# KiCad board Piunora.kicad_pcb (continued)
## Routing (per net, layer and track width the routed paths; a pad name or vN(x,y) marks a point on that pad's centre or on a via; arc(x,y) is an arc through that point) (continued)
1D_N: length 19
  Top w0.117: v1(33.79,50.6) 33.79,50.6 33.53,50.6 30.94,53.19 28.76,55.36 28.76,56.13 29.09,56.46 29.09,57.58 U$11.D- ; IC1.4 35.37,46.08 35.46,46.17 35.76,46.17 35.77,46.16 v1(35.95,45.98)
  Top w0.147: U$11.D- 29.67,58.12 JP6.1
  In1.Cu w0.117: v1(35.95,45.98) 36.13,46.17 36.39,46.17 36.62,46.4 36.62,47.51 33.79,50.34 33.79,50.35 v1(33.79,50.6)
1D_P: length 19
  Top w0.117: U$11.D+ 28.21,57.58 28.21,56.46 28.54,56.13 28.54,55.27 30.78,53.03 30.83,52.95 30.83,52.85 30.75,52.72 30.75,52.66 30.78,52.61 31.3,52.1 31.35,52.07 31.41,52.07 31.54,52.14 31.64,52.14 31.72,52.1 33.37,50.44 33.37,50.43 v1(33.37,50.18) ; IC1.5 35.37,46.48 35.46,46.39 35.76,46.39 35.94,46.57 v1(35.94,46.57)
  Top w0.147: U$11.D+ 27.63,58.12 JP7.1
  In1.Cu w0.117: v1(35.94,46.57) 36.12,46.4 36.13,46.39 36.3,46.39 36.4,46.49 36.4,47.42 33.64,50.18 v1(33.37,50.18)
2D_N: length 20.3
  Top w0.117: 42.69,60.87 42.71,60.84 42.71,56.37 34.15,47.81 34.15,47.32 34.24,47.23 IC1.6 ; 42.69,60.87 42.71,60.84 42.71,60.74 42.9,60.55 43.48,60.55 43.65,60.73 X4.B7 ; 42.69,60.87 42.65,60.9 X4.A7
2D_P: length 21
  Top w0.117: X4.A6 43.15,62.18 43,62.33 42.28,62.33 42.15,62.21 X4.B6 42.15,60.78 42.49,60.44 42.49,56.46 33.93,47.9 33.93,47.32 33.84,47.23 IC1.7
3.3-M.2: length 51.8
  Top w0.305: v1(29.44,21.97) 29.41,21.95 18.52,21.95 v1(17.73,22.73)
  In1.Cu w0.127: 42.93,15.9 U$27.P$2
  In1.Cu w0.305: v1(17.73,22.73) 17.67,22.79 J2.2 J2.4 ; 42.93,15.9 42.42,15.39 R5.1 40.35,14.35 C14.2 ; J2.74 J2.72 ; J2.72 35.76,23.89 ; J2.72 J2.70 ; J2.72 35.17,22.57 34.57,21.97 v1(29.44,21.97)
  In1.Cu w0.406: 40.92,18.82 39.85,18.82 38,16.97 38,14.76 37.59,14.35 36.54,14.35 C15.1 C16.1 C19.1 C20.1
  In1.Cu w0.508: 41.17,18.57 41.17,21.56 38.85,23.89 35.76,23.89 ; 41.17,18.57 42.93,16.81 U$27.P$2 ; 41.17,18.57 40.92,18.82
ACTIVITY-LED: length 50.2
  Top w0.127: R7.2 47.09,12.93 47.09,9.32 46.05,8.28 43.35,8.28 41.2,6.13 11.45,6.13 10.89,6.69 8.24,6.69 5.06,3.51 LED6.C
AD0: length 4.9
  Top w0.254: AD.1 IC2.1
AD1: length 5.4
  Top w0.254: AD.2 4.37,15.24 5.64,16.51 IC2.2
AD2: length 6
  Top w0.254: AD.3 3.78,12.7 6.32,15.24 IC2.3
AD3: length 6.5
  Top w0.254: IC2.4 6.58,13.97 2.77,10.16 AD.4
AD4: length 7.9
  Top w0.254: AD.5 3.1,7.62 4.88,9.4 4.88,10.95 6.63,12.7 IC2.5
AD5: length 9.4
  Top w0.254: IC2.6 6.63,11.43 5.82,10.62 5.82,7.42 3.48,5.08 AD.6
AD6: length 0.9
  Top w0.254: v1(7.67,10.64) 7.46,10.43 IC2.7
  In1.Cu w0.254: TP2.P$1 7.72,10.69 v1(7.67,10.64)
AD7: length 0.9
  Top w0.305: v1(7.54,8.38) 7.54,8.81 IC2.8
  In1.Cu w0.254: TP1.P$1 7.64,8.48 v1(7.54,8.38)
CAM1_C_N: length 40.5
  Top w0.102: v1(13.46,26.29) 13.28,26.47 11.7,26.47 11.62,26.39 U$2.127
  In1.Cu w0.102: v1(13.46,26.29) 13.28,26.47 7.68,26.47 6.02,24.82 6.02,23.11 6.04,23.06 6.08,23.02 6.13,23 6.19,23 6.25,22.98 6.29,22.94 6.31,22.89 6.31,22.41 6.29,22.36 6.25,22.32 6.19,22.3 6.13,22.3 6.08,22.29 6.04,22.24 6.02,22.19 6.02,19.81 14.94,10.9 23.39,10.9 24.1,10.18 24.1,9.39 24.49,9 J1.8
CAM1_C_P: length 40.5
  Top w0.102: v1(13.46,26.88) 13.28,26.7 11.7,26.7 11.62,26.79 U$2.129
  In1.Cu w0.102: v1(13.46,26.88) 13.28,26.7 7.58,26.7 5.79,24.91 5.79,19.72 14.84,10.67 23.29,10.67 23.87,10.09 23.87,9.39 23.49,9 J1.9
CAM1_D0_N: length 33.2
  Top w0.102: U$2.115 10.64,23.99 10.55,24.07 10.29,24.07 10.11,23.89 v1(10.11,23.87)
  In1.Cu w0.102: v1(10.11,23.87) 9.91,24.07 9.78,24.07 9.68,23.97 9.68,20.83 10.83,19.67 10.88,19.64 10.94,19.64 10.99,19.67 11.04,19.71 11.09,19.74 11.15,19.74 11.2,19.71 11.55,19.36 11.58,19.31 11.58,19.25 11.55,19.2 11.51,19.16 11.48,19.1 11.48,19.05 11.51,18.99 13.41,17.09 13.41,16.54 17.2,12.75 28.06,12.75 30.1,10.71 30.1,9.39 30.49,9 J1.2
CAM1_D0_P: length 33.2
  Top w0.102: U$2.117 10.64,24.39 10.55,24.3 10.29,24.3 v1(10.12,24.47)
  In1.Cu w0.102: J1.3 29.49,9 29.87,9.39 29.87,10.62 27.97,12.52 17.1,12.52 13.18,16.44 13.18,17 9.45,20.73 9.45,24.06 9.68,24.3 9.94,24.3 9.94,24.3 v1(10.12,24.47)
CAM1_D1_N: length 36.4
  Top w0.102: U$2.121 11.62,25.19 11.7,25.27 12.01,25.27 v1(12.19,25.09)
  In1.Cu w0.102: v1(12.19,25.09) 12.01,25.27 8.89,25.27 7.82,24.21 7.82,22.42 7.84,22.36 7.88,22.32 7.94,22.3 8,22.3 8.05,22.29 8.1,22.25 8.11,22.19 8.11,21.69 8.1,21.63 8.05,21.59 8,21.58 7.94,21.58 7.88,21.56 7.84,21.52 7.82,21.46 7.82,20.22 16.41,11.63 25.9,11.63 27.1,10.43 27.1,9.39 27.49,9 J1.5
CAM1_D1_P: length 36.4
  Top w0.102: U$2.123 11.62,25.59 11.7,25.5 12.01,25.5 v1(12.19,25.68)
  In1.Cu w0.102: v1(12.19,25.68) 12.01,25.5 8.8,25.5 7.59,24.3 7.59,20.12 16.31,11.4 25.81,11.4 26.87,10.34 26.87,9.39 26.49,9 J1.6
CAMERA_GPIO: length 61.8
  Top w0.127: U$2.97 44.53,40.39 v1(44.53,40.39) ; v1(22.61,9.7) 22.61,8.38 23.99,7 39.81,7 41.04,8.23 41.04,13.48 40.13,14.39 40.13,24.08 38.3,25.91 38.3,31.42 v1(39.12,32.23)
  In1.Cu w0.127: J1.11 21.49,9.24 21.95,9.7 v1(22.61,9.7) ; v1(39.12,32.23) 39.12,35.47 39.51,35.87 39.51,38.44 41.45,40.39 v1(44.53,40.39)
CEC: length 31.8
  Top w0.127: CN2.13 10.46,57.25 10.77,56.95 10.77,55.04 11.96,53.85 11.96,51.03 11.2,50.27 9.91,50.27 8.69,49.05 v1(8.69,44.4) ; v1(10.11,31.78) 10.7,31.19 U$2.151
  In1.Cu w0.127: v1(8.69,44.4) 8.69,43.26 9.58,42.37 9.58,32.31 v1(10.11,31.78)
GLOBAL_EN: length 10.7
  Top w0.152: v1(37.8,41.55) 39.24,43 43.64,43 44.12,42.52 45.08,42.52 45.52,42.09 45.52,41.11 U$2.99
  In1.Cu w0.152: v1(37.8,41.55) JP4.1
GPIO4: length 32.3
  Top w0.102: U$2.54 40.45,31.59 39.98,31.11 39.57,31.11 38.81,30.35 38.81,25.91 40.49,24.23 40.49,21.51 41.81,20.19 43,20.19 47.09,16.1 47.09,14.48 v1(46.94,14.33)
  In1.Cu w0.102: IOL.7 46.94,11.48 v1(46.94,14.33)
GPIO5: length 29.6
  Top w0.102: IOL.8 51.59,5.08 52.35,5.84 52.35,13.21 51.56,14 49.76,14 49.17,14.58 49.17,15.56 44.12,20.61 44.12,25.63 43.61,26.14 43.61,27.28 43.3,27.59 U$2.34
GPIO6: length 8.8
  Top w0.127: v1(43.05,26.82) 42.15,26.82 U$2.30
  In1.Cu w0.127: v1(43.05,26.82) 43.28,27.05 50.67,27.05 IOH.10
GPIO7: length 6.1
  Top w0.127: IOH.9 49.72,28.39 U$2.37
GPIO8: length 6.9
  Top w0.127: U$2.39 46.16,28.79 49.38,32 IOH.8
GPIO9: length 12.8
  Top w0.127: U$2.40 42.89,28.79 v1(43.18,29.08)
  In1.Cu w0.127: IOH.6 50.36,36.64 49.57,36.64 47.96,35.02 47.96,34.44 43.18,29.67 v1(43.18,29.08)
GPIO10: length 12.6
  Top w0.127: IOH.7 48.67,34.54 v1(47.57,35.64) ; U$2.44 42.75,29.59 42.9,29.74 42.9,30.3 v1(43.15,30.56)
  In1.Cu w0.127: v1(47.57,35.64) 47.57,34.59 43.54,30.56 v1(43.15,30.56)
GPIO11: length 18.9
  Top w0.127: U$2.38 42.1,28.37 39.78,28.37 v1(39.62,28.22)
  In1.Cu w0.127: IOH.5 50.67,39.62 40.5,29.45 40.12,29.45 39.62,28.96 v1(39.62,28.22)
GPIO12: length 71.3
  Top w0.102: v1(40.92,52.17) 40.92,51.23 41.48,50.67 45.8,50.67 46.3,50.16 46.3,44.45 46.66,44.09 48.39,44.09 48.72,43.76 48.72,41.27 49.23,40.77 51.87,40.77 52.22,40.41 52.22,28.65 51.74,28.17 50.11,28.17 49.99,28.04 46.1,28.04 45.85,27.79 45.85,27.3 45.73,27.19 U$2.31 ; LED7.1 18.35,64.26 v1(18.35,63.53)
  In1.Cu w0.102: v1(40.92,52.17) 40.92,53.21 39.4,54.74 32.89,54.74 29.69,57.94 24.59,57.94 24.38,57.73 22.02,57.73 18.35,61.4 v1(18.35,63.53)
GPIO13: length 44.9
  Top w0.127: IC2.12 14.48,12.7 15.04,12.14 16.28,12.14 18.11,13.97 v1(19.2,13.97) ; U$2.28 41.6,26.39 40.87,25.65 v1(40.87,24.46)
  In1.Cu w0.127: v1(40.87,24.46) 36.96,24.46 35.36,26.06 30.44,26.06 30.11,25.73 28.6,25.73 28.36,25.97 27.8,25.97 27.6,25.77 27.23,25.77 26.95,26.05 25.28,26.05 24.16,27.18 22.17,27.18 20.22,25.22 20.22,20.47 20.32,20.37 20.32,15.37 19.58,14.63 19.58,14.35 v1(19.2,13.97)
GPIO14: length 61.7
  Top w0.102: U$2.55 44.36,31.99 43.18,33.17 43.18,38.01 42.93,38.27 42.93,41.12 42.62,41.43 40.77,41.43
  Top w0.127: 40.77,41.43 37.07,37.73 v1(37.07,37.41) ; v1(21.51,25.1) 24.49,25.1 30.91,31.52 v1(30.91,31.7) ; v1(18.16,13.41) 16.18,11.43 IC2.11
  In1.Cu w0.127: v1(21.51,25.1) 21.51,22.33 22.86,20.98 22.86,18.59 21.87,17.6 21.87,13.69 21.36,13.18 18.39,13.18 v1(18.16,13.41) ; v1(37.07,37.41) 31.36,31.7 v1(30.91,31.7)
GPIO15: length 62.5
  Top w0.102: 40.97,41.17 42.49,41.17 42.72,40.94 42.72,38.2 42.98,37.95 42.98,33.07 44.86,31.19 U$2.51
  Top w0.127: 40.97,41.17 37.53,37.73 37.53,37.4 v1(37.68,37.25) ; v1(31.31,31.28) 31.07,31.28 22.13,22.34 21.34,22.34 21.06,22.62 v1(21.06,24.59) ; v1(21.18,15.47) 20.9,15.19 19.86,15.19 19.2,14.53 18.16,14.53 16.99,13.36 14.43,13.36 13.82,13.97 IC2.13
  In1.Cu w0.127: v1(21.18,15.47) 21.18,16.08 21.36,16.26 21.36,17.5 22.1,18.24 22.1,19.66 21.06,20.7 v1(21.06,24.59) ; v1(37.68,37.25) 31.72,31.28 v1(31.31,31.28)
GPIO16: length 41.6
  Top w0.127: v1(40.31,25.91) 40.31,25.96 v1(41.07,26.72) ; U$2.29 44.64,26.79 v1(44.37,26.52) ; v1(32.84,22.63) 33.43,23.22 v1(33.43,26.92) ; v1(22.71,28.13) 22.38,27.8 v1(22.38,26.19)
  In1.Cu w0.127: v1(41.07,26.72) 41.76,26.03 43.89,26.03 v1(44.37,26.52) ; v1(22.71,28.13) 22.31,28.13 19.67,25.49 J2.10 ; v1(22.38,26.19) 22.38,25.35 21.79,24.77 21.79,22.96 22.25,22.5 32.72,22.5 v1(32.84,22.63) ; v1(33.43,26.92) 35.92,26.92 38,24.84 40.08,24.84 40.31,25.07 v1(40.31,25.91)
GPIO17: length 31.3
  Top w0.127: v1(40.84,30.81) 42.09,30.81 U$2.50 ; v1(33.58,29.59) 33.58,31.22 31.55,33.25 28.79,33.25 v1(24.33,28.79)
  In1.Cu w0.127: J2.8 19.17,25.63 22.22,28.69 24.23,28.69 v1(24.33,28.79) ; v1(33.58,29.59) 35.41,31.42 40.23,31.42 v1(40.84,30.81)
GPIO18: length 31.9
  Top w0.127: v1(46.66,30.76) 45.22,30.76 U$2.49
  In1.Cu w0.127: IOL.6 48.69,12.27 48.69,18.41 49.33,19.05 52.12,19.05 52.45,19.38 52.45,30.66 52.35,30.76 v1(46.66,30.76)
GPIO19: length 18
  Top w0.127: IOL.5 50.11,12.7 48.56,14.25 48.56,15.54 43.79,20.32 43.79,25.58 43.38,25.99 U$2.26
GPIO20: length 17
  Top w0.127: IOL.4 51.13,15.24 52.32,16.43 52.32,18.34 51.66,19 49.56,19 48.95,19.61 48.95,24.13 46.69,26.39 U$2.27
GPIO21: length 12.4
  Top w0.127: U$2.25 45.23,26.03 46.54,26.03 48.51,24.05 48.51,18.31 49.05,17.78 IOL.3
GPIO22: length 17.5
  Top w0.127: v1(40.56,28.88) 41.67,29.99 U$2.46
  In1.Cu w0.127: IOL.2 46.79,20.32 40.13,26.97 40.13,28.45 v1(40.56,28.88)
GPIO23: length 10.2
  Top w0.127: v1(46.18,30) 45.8,30.38 45.2,30.38 U$2.47 ; IOL.1 46.28,27.38 v1(46.28,27.56)
  In1.Cu w0.127: v1(46.18,30) 46.28,29.9 v1(46.28,27.56)
GPIO24: length 58.9
  Top w0.102: 44.42,25.68 43.94,26.16 43.94,26.7 44.22,26.97 44.22,27.36 43.66,27.91 43.66,29.31 43.97,29.62 44.37,29.62 44.72,29.97 45.18,29.97 U$2.45
  Top w0.152: IC2.10 14,10.16 14.33,10.49 15.44,10.49 15.8,10.13 15.8,7.7 16.79,6.71 40.08,6.71 41.43,8.05 41.43,13.64 40.87,14.2 40.87,15.88 41.15,16.15 41.15,18.64 41.73,19.23 v1(42.62,19.23) ; v1(44.83,20.6) 44.42,21.01 44.42,25.68
  In1.Cu w0.152: v1(44.83,20.6) 43.46,19.23 v1(42.62,19.23)
GPIO25: length 64.9
  Top w0.102: U$2.41 44.28,29.19 v1(44.15,29.06) ; v1(39.75,26.57) 39.75,26.85 v1(40.79,27.89) ; v1(20.42,35.18) 17.22,35.18 16.36,36.04 16.36,42.37 14.63,44.09 11.43,44.09 11.13,44.4
  Top w0.147: v1(2.01,43.26) 1.81,43.45 U$14.P3
  Top w0.152: v1(10.41,45.44) 11.02,45.44 JP3.1 11.07,44.45 11.13,44.4
  Top w0.305: U$14.P4 U$14.P3
  In1.Cu w0.102: v1(40.79,27.89) 42.98,27.89 v1(44.15,29.06) ; v1(20.42,35.18) 21.26,34.34 24.77,34.34 30.56,28.55 37.77,28.55 v1(39.75,26.57)
  In1.Cu w0.147: v1(10.41,45.44) 8.59,45.44 8,44.86 6.6,44.86 5,43.26 v1(2.01,43.26)
GPIO26: length 135
  Top w0.102: S2.1 19.58,2.97 19.58,5.41 20.04,5.87 41.45,5.87 43.46,7.87 46.28,7.87 47.47,9.07 47.47,16.17 43.09,20.55 41.99,20.55 40.82,21.72 40.82,23.75 41.38,24.31 41.38,25.4 41.56,25.59 U$2.24
  Top w0.152: S2.1 18.14,2.8 17.6,2.26 16.13,2.26 15.59,2.8 S2.3 14.16,2.96 v2(12.93,4.19) ; v1(15.72,37.21) 15.72,34.34 12.42,31.04 12.42,30.02 12.65,29.79 v1(13.18,29.79) ; v1(20.57,37.29) v1(17.17,37.29)
  In1.Cu w0.152: v1(17.17,37.29) 15.8,37.29 v1(15.72,37.21) ; v2(12.93,4.19) 12.93,5.33 11.63,6.63 5.56,6.63 4.34,7.85 4.34,25.55 7.85,29.06 14.1,29.06 JP1.2 v1(13.18,29.79) ; JP4.2 34.82,41.55 29.84,36.58 21.29,36.58 v1(20.57,37.29)
GPIO27: length 33.6
  Top w0.102: v1(27.3,32.62) 26.47,32.62 19.74,25.88 19.74,23.37 18.95,22.58 v1(18.82,22.58) ; v1(40.32,30.25) 40.46,30.39 U$2.48
  In1.Cu w0.102: v1(27.3,32.62) 31.14,28.78 36.69,28.78 39.01,31.09 40.02,31.09 40.41,30.7 40.41,30.34 v1(40.32,30.25) ; J2.6 18.67,22.73 v1(18.82,22.58)
HDMI_CK_N: length 22.4
  Top w0.102: U$2.190 8.1,38.78 7.79,38.78 7.71,38.7 7.45,38.7 7.34,38.82 7.34,51.13 7.36,51.19 7.4,51.23 7.45,51.24 7.51,51.24 7.57,51.26 7.61,51.3 7.63,51.36 7.63,51.85 7.61,51.91 7.57,51.95 7.51,51.97 7.45,51.97 7.4,51.98 7.36,52.02 7.34,52.08 7.34,53.16 9.58,55.4 9.58,56.99 9.96,57.38 CN2.12
HDMI_CK_P: length 22.4
  Top w0.102: U$2.188 7.79,38.39 7.7,38.47 7.36,38.47 7.11,38.72 7.11,53.26 9.35,55.49 9.35,57 8.96,57.38 CN2.10
HDMI_D0_N: length 24.2
  Top w0.102: CN2.9 8.46,57.38 8.08,57 8.08,55.36 7.55,54.83 7.52,54.78 7.52,54.72 7.55,54.67 7.59,54.63 7.62,54.57 7.62,54.52 7.59,54.46 7.25,54.13 7.2,54.1 7.14,54.1 7.09,54.13 7.05,54.17 7,54.2 6.94,54.2 6.89,54.17 6.52,53.8 6.52,37.67 6.68,37.5 7.63,37.5 7.71,37.59 U$2.184
HDMI_D0_P: length 24.2
  Top w0.102: CN2.7 7.46,57.38 7.85,57 7.85,55.45 6.29,53.89 6.29,37.57 6.59,37.27 7.63,37.27 7.71,37.19 U$2.182
HDMI_D1_N: length 25.9
  Top w0.102: CN2.6 6.96,57.38 6.58,57 6.58,55.31 5.66,54.39 5.66,36.45 5.81,36.3 6.54,36.3 6.6,36.32 6.64,36.36 6.66,36.42 6.66,36.48 6.67,36.53 6.71,36.58 6.77,36.59 7.24,36.59 7.3,36.58 7.34,36.53 7.36,36.48 7.36,36.41 7.46,36.31 7.68,36.31 7.76,36.39 U$2.178
HDMI_D1_P: length 26
  Top w0.102: U$2.176 7.76,35.99 7.68,36.07 5.72,36.07 5.44,36.35 5.44,54.49 6.35,55.4 6.35,56.99 5.96,57.38 CN2.4
HDMI_D2_N: length 27.2
  Top w0.102: U$2.172 7.71,35.19 7.63,35.1 5.82,35.1 4.86,36.06 4.86,54.58 5.08,54.8 5.08,55.44 5.1,55.49 5.14,55.54 5.19,55.55 5.25,55.55 5.31,55.57 5.35,55.61 5.37,55.67 5.37,56.13 5.35,56.19 5.31,56.23 5.25,56.25 5.19,56.25 5.14,56.26 5.1,56.31 5.08,56.36 5.08,57.02 5.46,57.4 CN2.3
HDMI_D2_P: length 27.2
  Top w0.102: CN2.1 4.46,57.41 4.85,57.02 4.85,54.9 4.64,54.68 4.64,35.96 5.72,34.87 7.63,34.87 7.71,34.79 U$2.170
HDMI_SCL: length 21
  Top w0.127: CN2.15 11.46,55.09 12.32,54.23 12.32,50.65 11.38,49.71 10.19,49.71 9.35,48.87 9.35,41.9 8.24,40.79 U$2.200
HDMI_SDA: length 21.2
  Top w0.127: U$2.199 10.85,40.79 9.75,41.88 9.75,48.64 10.36,49.25 11.51,49.25 12.67,50.42 12.67,54.51 11.89,55.3 11.89,58.87 CN2.16
HOTPLUG: length 30.9
  Top w0.117: 14.86,34.44 14.86,43.1 v1(14.4,43.56) ; CN2.19 13.46,57.41 13.9,56.97 v1(14.4,56.97)
  Top w0.127: U$2.153 12,31.59 14.86,34.44
  In1.Cu w0.117: v1(14.4,56.97) 14.4,56.46 13.64,55.7 13.64,47.47 14.4,46.71 v1(14.4,43.56)
M2_USB_N: length 57.4
  In1.Cu w0.117: v1(29.67,55.93) 29.64,55.91 29.01,55.91 28.76,56.16 28.76,56.73 28.3,57.18 26.89,57.18 25.6,55.89 25.6,54.8 19.14,48.34 19.14,42.76 19.14,26.22 18.36,25.45 16.9,25.45 16.48,25.03 16.48,23.49 15.57,22.58 15.57,19.81 15.08,19.33 15.08,15.69 16.37,14.4 18.98,14.4 19.27,14.69 19.27,15.18 19.42,15.33 J2.9
M2_USB_P: length 58.4
  In1.Cu w0.117: v1(27.63,55.92) 28.32,55.92 28.55,56.15 28.55,56.64 28.22,56.97 26.97,56.97 25.81,55.81 25.81,54.72 19.34,48.25 19.34,45.69 19.36,45.64 19.4,45.61 19.45,45.59 19.5,45.59 19.55,45.58 19.59,45.54 19.6,45.49 19.6,45.48 19.59,45.43 19.55,45.4 19.5,45.38 19.45,45.38 19.4,45.37 19.36,45.33 19.34,45.28 19.34,45.27 19.36,45.22 19.4,45.18 19.45,45.17 19.5,45.17 19.55,45.16 19.59,45.12 19.6,45.07 19.6,45.06 19.59,45.01 19.55,44.97 19.5,44.96 19.45,44.96 19.4,44.95 19.36,44.91 19.34,44.86 19.34,44.85 19.36,44.8 19.4,44.76 19.45,44.75 19.5,44.75 19.55,44.74 19.59,44.7 19.6,44.65 19.6,44.64 19.59,44.59 19.55,44.55 19.5,44.54 19.45,44.54 19.4,44.53 19.36,44.49 19.34,44.44 19.34,44.43 19.36,44.38 19.4,44.34 19.45,44.33 19.5,44.33 19.55,44.32 19.59,44.28 19.6,44.23 19.6,44.22 19.59,44.17 19.55,44.13 19.5,44.12 19.45,44.12 19.4,44.11 19.36,44.07 19.34,44.02 19.34,44.01 19.36,43.96 19.4,43.92 19.45,43.91 19.5,43.91 19.55,43.9 19.59,43.86 19.6,43.81 19.6,43.8 19.59,43.75 19.55,43.71 19.5,43.7 19.45,43.7 19.4,43.69 19.36,43.65 19.34,43.6 19.34,43.59 19.36,43.54 19.4,43.5 19.45,43.49 19.5,43.49 19.55,43.48 19.59,43.44 19.6,43.39 19.6,43.38 19.59,43.33 19.55,43.29 19.5,43.28 19.45,43.28 19.4,43.27 19.36,43.23 19.34,43.18 19.34,43.17 19.36,43.12 19.4,43.08 19.45,43.07 19.5,43.07 19.55,43.06 19.59,43.02 19.6,42.97 19.6,42.96 19.59,42.91 19.55,42.87 19.5,42.86 19.45,42.86 19.4,42.85 19.36,42.81 19.34,42.76 19.34,26.14 18.45,25.24 16.99,25.24 16.69,24.94 16.69,23.41 15.77,22.49 15.77,19.72 15.29,19.24 15.29,15.77 16.46,14.61 18.9,14.61 19.07,14.77 19.07,15.18 18.92,15.33 J2.7
N$7: length 10.4
  Top w0.127: X4.A5 44.15,63.21 42.59,64.78 38.16,64.78 36.92,63.54 R8.2
N$8: length 8.7
  Top w0.127: 41.17,61.54 41.15,61.52 X4.B5 41.15,63.94 40.77,64.33 38.48,64.33 37.68,63.52 37.68,62.63 R3.2 36.98,61.87 37.16,61.91
N$19: length 2.8
  In1.Cu w0.305: IC3.6 40.69,12.67 41.05,13.03 U$27.P$1
N$22: length 6.3
  Top w0.127: v1(38.38,11.35) 38.38,11.71 39.6,12.93 39.6,13.54 v1(39.4,13.74)
  In1.Cu w0.305: R2.1 38.81,15.42 R5.2 38.85,14.35 C14.1 39.4,13.85 v1(39.4,13.74) ; IC3.1 38.22,11.51 v1(38.38,11.35)
PCIE_CLK_N: length 30.5
  Top w0.117: U$2.112 7.71,23.19 7.61,23.1 7.25,23.1 7.05,22.89 7.05,21.14 7.71,20.48 18.18,20.48 18.37,20.68 29.08,20.68 30.54,19.22 30.54,18.66 v1(30.34,18.47)
  In1.Cu w0.117: J2.53 30.42,17.17 30.54,17.28 30.54,18.31 30.38,18.47 v1(30.34,18.47)
PCIE_CLK_P: length 30.5
  Top w0.117: v1(30.95,18.47) 30.75,18.66 30.75,19.31 29.17,20.89 25.69,20.89 25.64,20.91 25.6,20.95 25.58,21 25.56,21.08 25.52,21.15 25.37,21.22 25.11,21.22 25.03,21.2 24.96,21.15 24.9,21 24.89,20.95 24.85,20.91 24.79,20.89 18.28,20.89 18.08,20.7 7.8,20.7 7.26,21.23 7.26,22.8 7.34,22.88 7.61,22.88 7.71,22.79 U$2.110
  In1.Cu w0.117: J2.55 30.92,17.12 30.75,17.28 30.75,18.31 30.91,18.47 v1(30.95,18.47)
PCIE_RX_N: length 29.8
  Top w0.117: U$2.118 7.68,24.39 7.59,24.3 7.2,24.3 6.18,23.28 6.18,20.74 7.12,19.8 26.48,19.8 27.56,18.72 27.56,18.64 v1(27.36,18.44)
  In1.Cu w0.117: v1(27.36,18.44) 27.48,18.44 27.56,18.36 27.56,17.49 27.42,17.35 J2.41
PCIE_RX_P: length 29.7
  Top w0.117: U$2.116 7.68,23.99 7.59,24.08 7.29,24.08 6.4,23.19 6.4,20.83 7.21,20.02 22.54,20.02 22.57,20.11 22.64,20.19 22.74,20.21 23.27,20.21 23.37,20.19 23.44,20.11 23.47,20.02 26.57,20.02 27.78,18.81 27.78,18.64 v1(27.98,18.44)
  In1.Cu w0.117: J2.43 27.92,17.35 27.78,17.49 27.78,18.36 27.92,18.5 v1(27.98,18.44)
PCIE_TX_N: length 36
  Top w0.117: v1(24.16,18.51) 24.18,18.53 24,18.7 6.72,18.7 5.22,20.2 5.22,23.94 6.77,25.5 7.56,25.5 7.65,25.59 U$2.124
  In1.Cu w0.117: J2.47 28.92,17.35 29.06,17.48 29.06,19.25 28.09,20.22 27.16,20.22 25.64,18.7 24.35,18.7 v1(24.16,18.51)
PCIE_TX_P: length 36
  Top w0.117: v1(24.16,19.12) 24.16,19.08 24,18.92 6.81,18.92 5.44,20.29 5.44,23.85 6.86,25.28 7.56,25.28 7.65,25.19 U$2.122
  In1.Cu w0.117: v1(24.16,19.12) 24.35,18.92 25.55,18.92 27.07,20.44 28.18,20.44 29.28,19.34 29.28,18.99 29.29,18.93 29.33,18.89 29.39,18.88 29.44,18.88 29.5,18.86 29.54,18.82 29.55,18.77 29.55,18.33 29.54,18.27 29.5,18.23 29.44,18.22 29.39,18.22 29.33,18.21 29.29,18.16 29.28,18.11 29.28,17.49 29.42,17.35 J2.49
POWER-LED: length 52.1
  Top w0.127: R6.2 41.94,16.29 41.3,15.59 41.3,14.21 41.83,13.68 41.83,7.9 40.28,6.35 16.1,6.35 14.94,7.52 6.86,7.52 4.67,5.33 4.67,4.37 3.68,3.38 3.68,2.49 LED5.A
PWR_LED: length 1.1
  Top w0.127: R6.1 42.14,15.03 IC4.4
RUN_PG: length 87.4
  Top w0.127: v1(40.56,20.4) 41.17,20.4 v1(41.81,19.76) ; v1(42.04,18.69) 42.6,18.14 42.6,16.31 42.9,16 44.42,16 44.78,15.65 44.78,13.57 v1(45.36,12.99) ; v1(38.01,36.7) 38.01,36.82 38.27,37.07 38.27,37.71 39.75,39.19 U$2.92 ; v1(30.68,20.5) 30.68,24.31 30.94,24.56 30.94,30.05 v3(31.14,30.25)
  Top w0.152: v1(24.3,34.83) 21.36,34.83 21.13,34.6 17.16,34.6 v1(13.22,30.65)
  In1.Cu w0.127: v1(40.56,20.4) 40.44,20.52 30.71,20.52 v1(30.68,20.5) ; v1(38.01,36.7) 31.56,30.25 v3(31.14,30.25) ; IC3.7 40.47,12.01 45.16,12.01 45.36,12.22 v1(45.36,12.99) ; v1(41.81,19.76) 42.04,19.53 v1(42.04,18.69)
  In1.Cu w0.152: v1(24.3,34.83) 24.32,34.85 26.52,34.85 31.11,30.25 v3(31.14,30.25) ; POWER.3 4.42,35.56 9.37,30.61 13.17,30.61 v1(13.22,30.65) 14.53,30.65 JP1.1
SCL0: length 47.8
  Top w0.127: v1(32.64,29.24) 32.64,30.81 31.14,32.31 29.21,32.31 22.61,25.7 v1(21.46,25.7) ; v1(38.02,35.36) 39.51,36.84 42.06,36.84 U$2.80 ; v1(19.86,13.89) v1(19.86,9.73)
  In1.Cu w0.127: v1(19.86,13.89) 19.95,13.98 19.95,14.62 20.6,15.27 20.6,24.84 v1(21.46,25.7) ; v1(38.02,35.36) 32.64,29.97 v1(32.64,29.24) ; J1.13 19.49,9.27 19.79,9.58 19.79,9.65 v1(19.86,9.73)
SCL1: length 43.1
  Top w0.127: CONN1.4 49.5,56.75 49.91,56.34 49.91,51.33 50.8,50.44 ; IOH.1 50.8,50.44 ; 50.8,50.44 49.94,51.3 49.26,51.3 48.09,52.47 R1.2 ; v1(39.8,31.88) 39.91,31.99 U$2.56
  In1.Cu w0.127: IOH.1 51.31,49.78 52.43,48.67 52.43,46.81 51.56,45.95 49.66,45.95 49.3,45.59 49.3,38.76 42.42,31.88 v1(39.8,31.88)
SD_CLK: length 56.1
  Top w0.147: v1(46.76,36.88) 46.76,33.25 45.9,32.39 U$2.57 ; v1(41.25,33.58) 38.89,33.58 37.13,31.83 37.13,25.55 39.47,23.22 39.47,15.19 37.92,13.64 37.92,9.8 36.96,8.84 32.65,8.84 ; 26.51,13.72 U$13.P5
  Top w0.152: 26.51,13.72 27.85,12.38 29.11,12.38 32.65,8.84
  In1.Cu w0.147: v1(46.76,36.88) 45.77,36.88 42.47,33.58 v1(41.25,33.58)
SD_CMD: length 45.1
  Top w0.147: v1(29.13,13.11) 28.73,13.51 28.73,15.08 U$13.P3 ; v1(32.92,8.17) 38.95,8.17 40.64,9.86 40.64,13.39 39.8,14.22 39.8,23.62 37.74,25.68 37.74,31.67 39.12,33.05 41.43,33.05 41.57,33.19 U$2.62
  In1.Cu w0.147: v1(29.13,13.11) 29.13,12.45 32.92,8.66 v1(32.92,8.17)
SD_DAT0: length 50.5
  Top w0.147: U$13.P7 24.31,16.11 25.02,16.82 31.07,16.82 31.7,17.45 33.4,17.45 35.31,19.35 35.31,37.08 40.24,42.02 42.94,42.02 43.51,41.45 43.51,38.61 43.89,38.23 43.89,34.26 44.57,33.59 U$2.63
